# KiCad board OBC Development Board.kicad_pcb
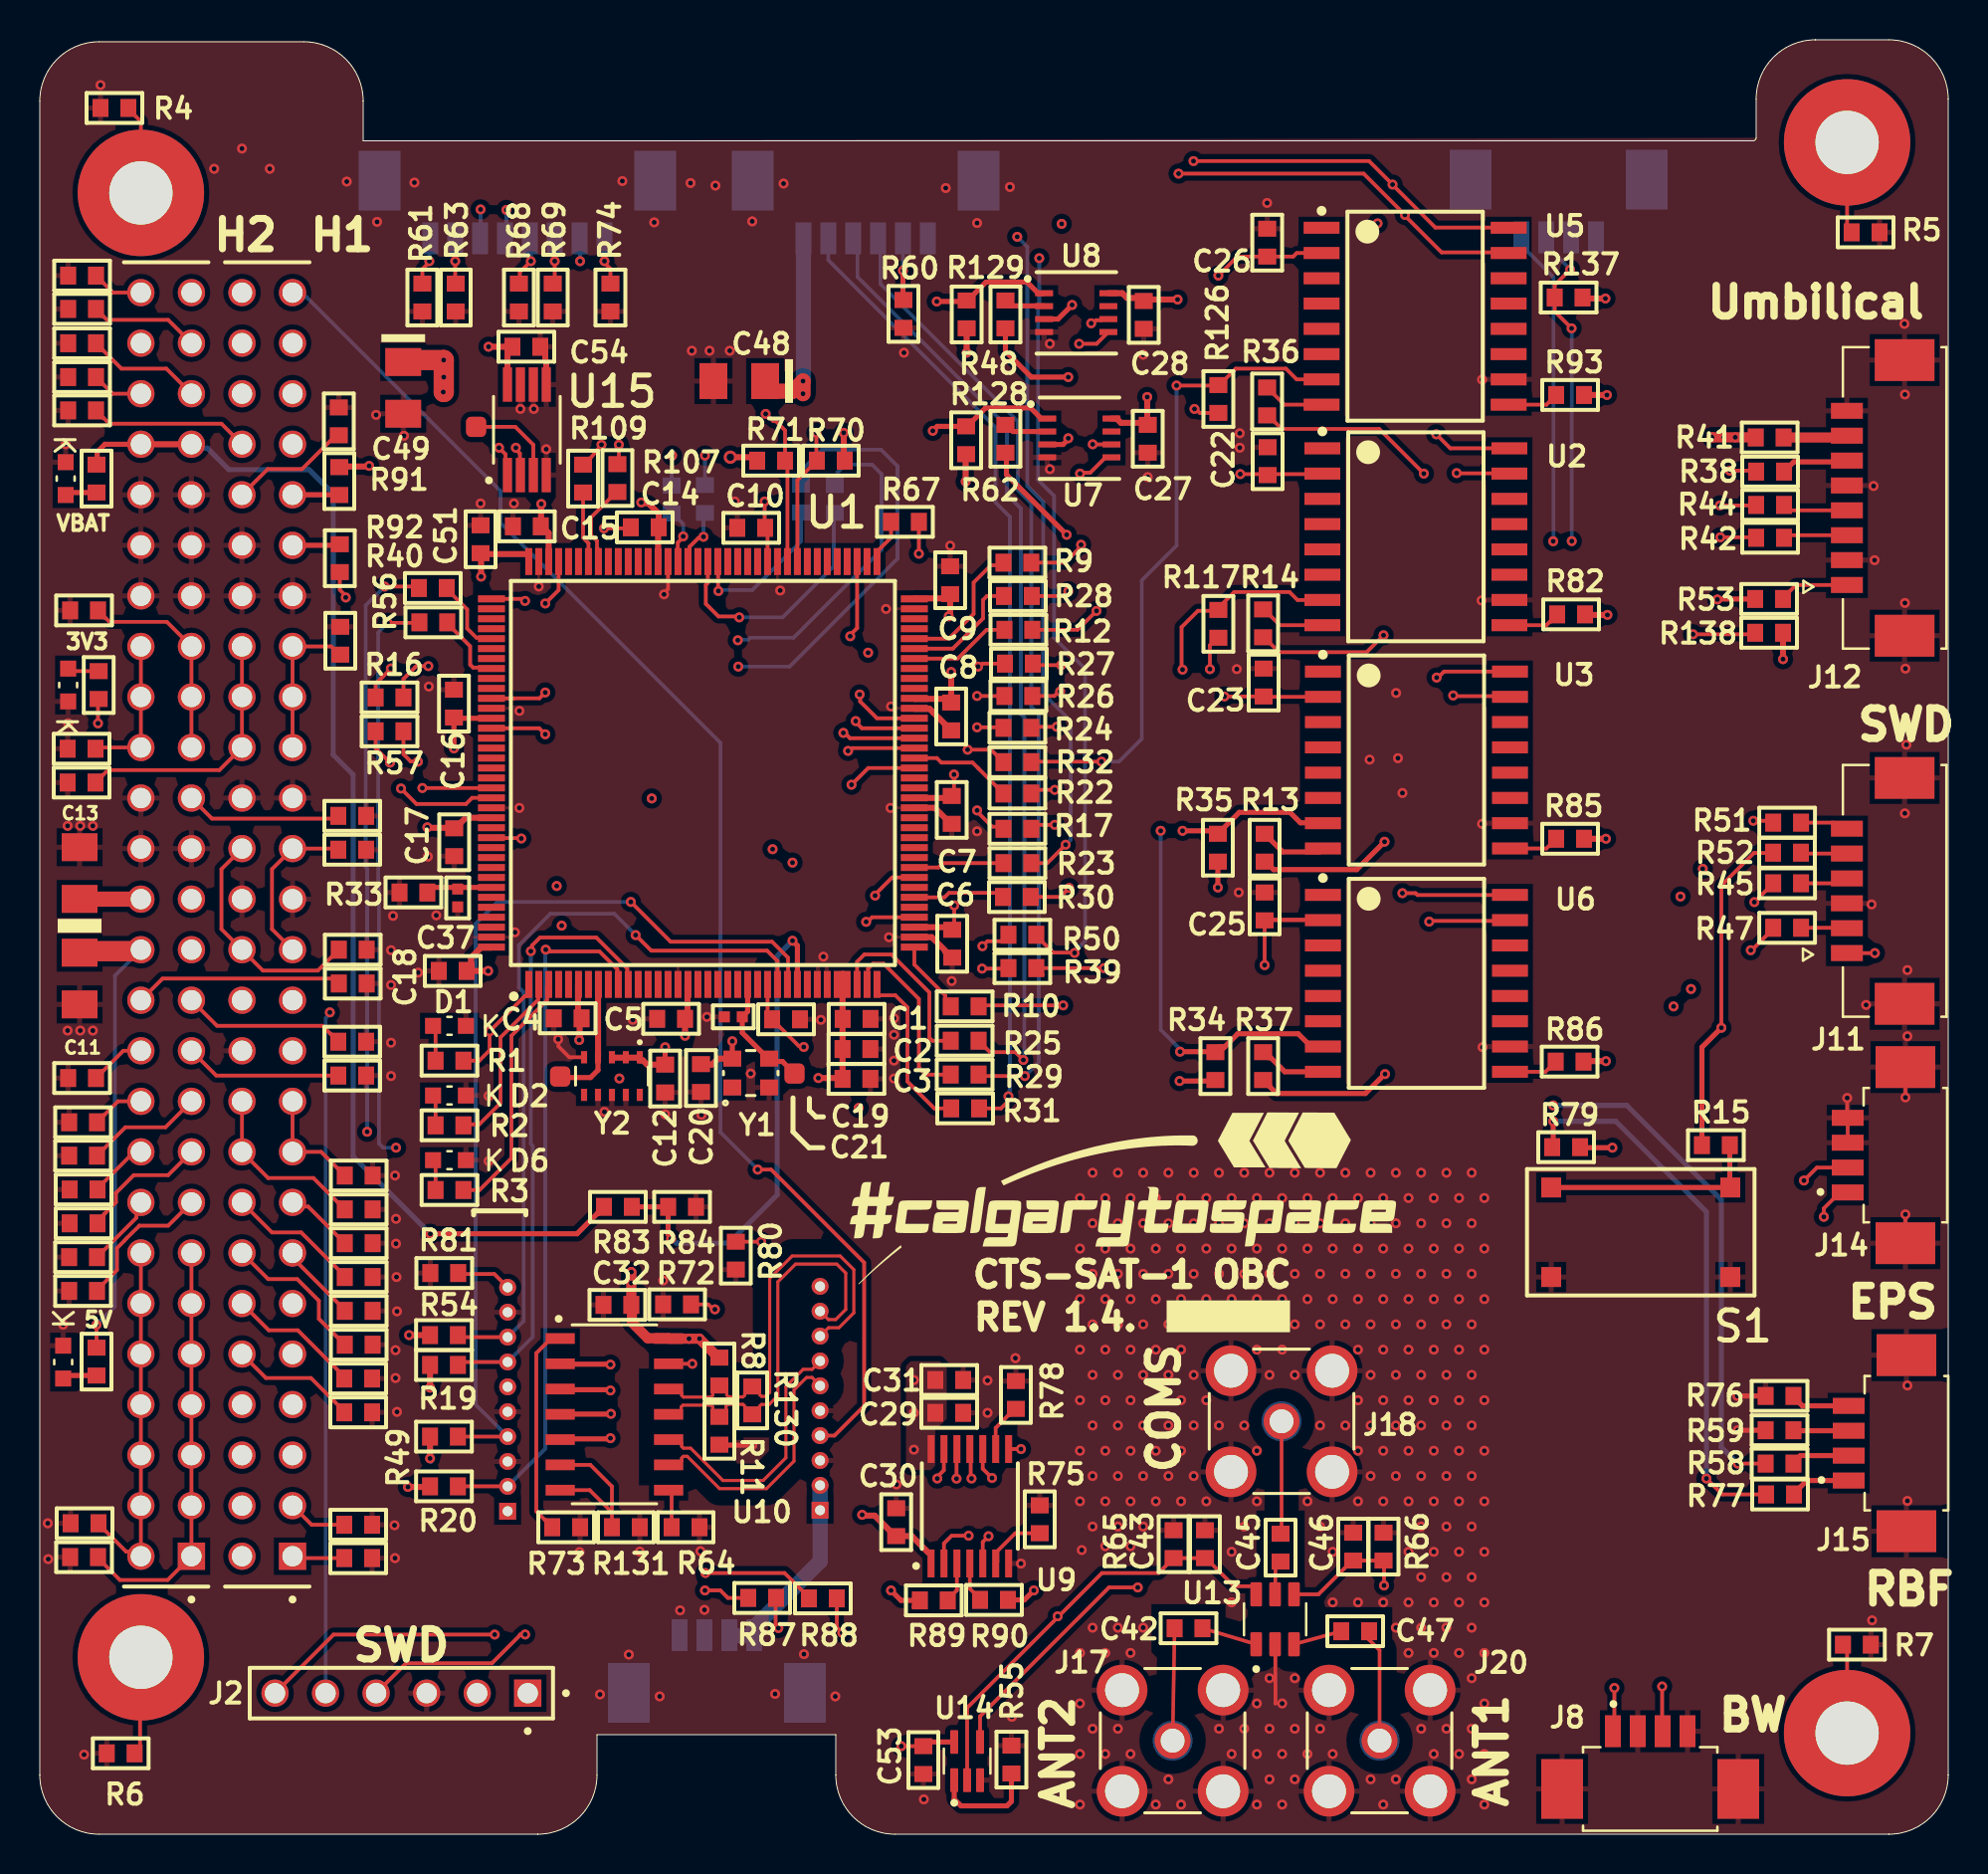
[diagram p0: board, top side]
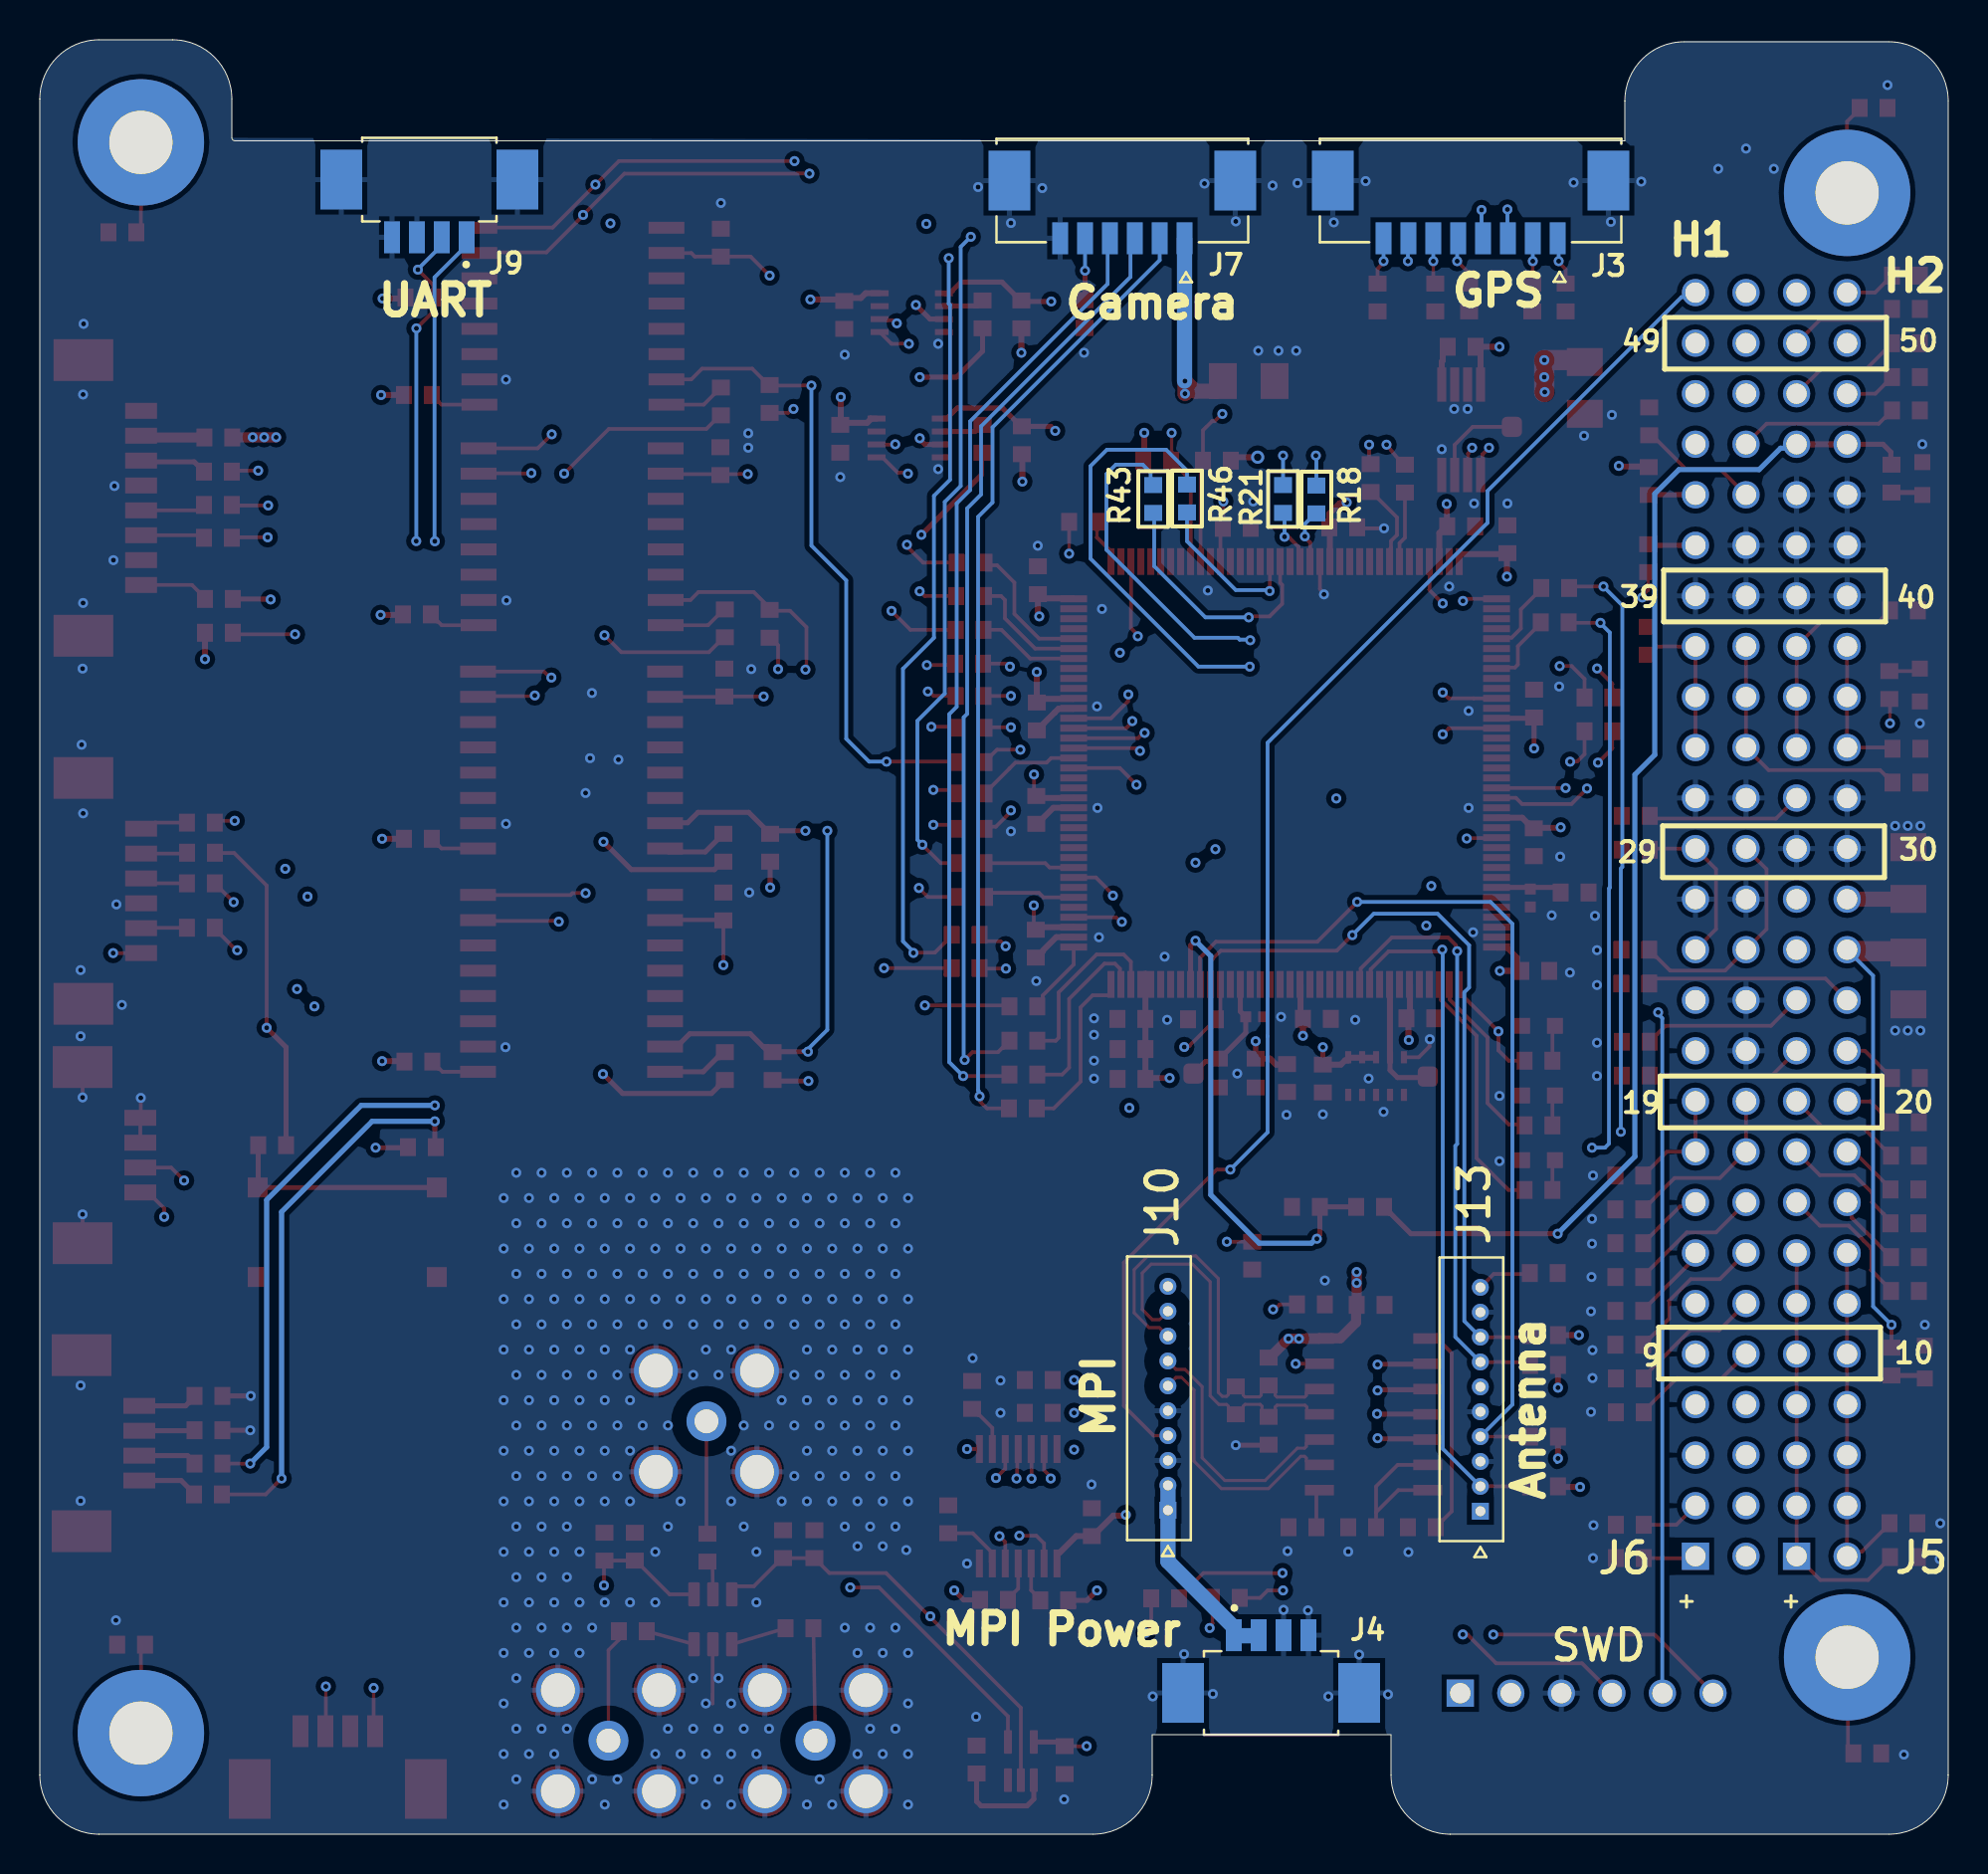
[diagram p1: board, bottom side, seen from below]

Outline 95.9 x 90.18 mm; copper layers: L1 Top Layer, L2 GND (plane), L3 Signal, L4 Signal, L5 GND (plane), L6 Bottom Layer. Coordinates in mm from the lower left corner of the outline.
Outline path: 0,87.1 arc(0.87,89.2) 2.97,90.07 13.27,90.07 arc(15.38,89.2) 16.25,87.1 16.25,85.1 86.1,85.1 arc(86.21,85.14) 86.25,85.25 86.25,87.2 arc(87.12,89.3) 89.23,90.17 92.92,90.18 arc(95.03,89.3) 95.9,87.2 95.9,2.97 95.9,2.98 arc(95.03,0.87) 92.93,0 42.98,0 arc(40.87,0.87) 40,2.98 40,5 28,5 28,2.98 arc(27.13,0.87) 25.03,0 2.97,0 arc(0.87,0.87) 0,2.98 0,87.1

## Placement (name value [footprint] x y rotation side)
*1  PC104 Mounting  [PC104 MOUNTING POINTS#4]  6.86 81.28 0 top
*2  PC104 Mounting  [PC104 MOUNTING POINTS#2]  90.82 85.02 0 top
*3  PC104 Mounting  [PC104 MOUNTING POINTS]  6.78 7.37 0 top
*4  PC104 Mounting  [PC104 MOUNTING POINTS#3]  88.9 6.6 0 top
C1  0.1uF  [0603]  41.05 40.97 180 top
C2  1uF  [0603]  41.04 39.46 180 top
C3  0.1uF  [0603]  41.04 37.96 180 top
C4  0.1uF  [0603]  26.52 41 0 top
C5  0.1uF  [0603]  31.72 40.98 0 top
C6  0.1uF  [0603]  45.85 44.75 90 top
C7  0.1uF  [0603]  45.82 51.48 90 top
C8  0.1uF  [0603]  45.8 56.17 90 top
C9  0.1uF  [0603]  45.75 63.02 270 top
C10  0.1uF  [0603]  35.75 65.65 0 top
C11  4.7uF  [CAP TANT 1206 (A) TCJ]  2 43 270 top
C12  0.1uF  [0603]  31.42 37.98 90 top
C13  4.7uF  [CAP TANT 1206 (A) TCJ]  2 48.3 90 top
C14  0.1uF  [0603]  30.4 65.68 0 top
C15  0.1uF  [0603]  24.47 65.73 0 top
C16  0.1uF  [0603]  20.81 56.81 270 top
C17  0.1uF  [0603]  20.83 49.85 90 top
C18  0.1uF  [0603]  20.75 43.38 0 top
C19  0.1uF  [0603]  37.5 40.95 180 top
C20  0.1uF  [0603]  33.22 38 90 top
C21  15 pF  [0402]  34.85 41.08 180 top
C22  0.1uF  [0603]  61.7 69 90 top
C23  0.1uF  [0603]  61.5 57.88 270 top
C25  0.1uF  [0603]  61.55 46.63 270 top
C26  0.1uF  [0603]  61.68 79.98 90 top
C27  0.1uF  [0603]  55.67 70.13 270 top
C28  0.1uF  [0603]  55.47 76.35 270 top
C29  0.1uF  [0603]  45.7 21.18 0 top
C30  0.1uF  [0603]  43.04 15.68 90 top
C31  1uF  [0603]  45.7 22.83 180 top
C32  0.1uF  [0603]  29.03 26.6 180 top
C37  0.1uF  [0402]  21 47.05 270 top
C42  100pF  [0603]  57.72 10.35 0 top
C43  33 pF  [0603]  58.55 14.58 90 top
C45  100pF  [0603]  62.35 14.4 90 top
C46  33 pF  [0603]  66 14.45 270 top
C47  100pF  [0603]  66.1 10.2 180 top
C48  4.7uF  [CAP TANT 1206 (A) TCJ]  35.15 73.03 180 top
C49  4.7uF  [CAP TANT 1206 (A) TCJ]  18.26 72.68 270 top
C51  0.1uF  [0603]  22.15 65.08 270 top
C53  0.1uF  [0603]  44.4 3.73 90 top
C54  0.1uF  [0603]  24.45 74.75 180 top
D1  -  [D-SML-D12U1WT86]  20.59 40.62 180 top
D2  -  [D-SML-D12U1WT86]  20.59 37.12 180 top
D3  -  [D-SML-D12U1WT86]  1.42 57.75 90 top
D4  -  [D-SML-D12U1WT86]  1.17 23.73 270 top
D5  -  [D-SML-D12U1WT86]  1.3 68.13 270 top
D6  -  [D-SML-D12U1WT86]  20.59 33.87 180 top
J2  -  [J-TSW-106-05-T-S]  24.52 7.09 180 top
J3  J-0532610871  [J-532610871]  24 82.6 0 bottom
J4  J-0532610471  [J-53261-0471]  34.03 10 180 bottom
J5  -  [J-ESQ-126-14-G-D]  7.62 13.97 270 top
J6  -  [J-ESQ-126-14-G-D]  12.7 13.97 270 top
J7  -  [J-0532610671]  41.5 82.6 0 bottom
J8  J-0532610471  [J-53261-0471]  80.92 5.18 0 top
J9  J-0532610471  [J-53261-0471]  76.32 80.25 0 bottom
J10  -  [J-0530471010]  39.21 16.28 270 bottom
J11  -  [J-0532610671]  93.21 47.41 90 top
J12  J-0532610871  [J-532610871]  93.21 67.15 90 top
J13  -  [J-0530471010]  23.51 16.23 270 bottom
J14  J-0532610471  [J-53261-0471]  90.85 34.13 90 top
J15  J-0532610471  [J-53261-0471]  90.9 19.65 90 top
J17  252105  [J-252105]  56.92 4.7 0 top
J18  252105  [J-252105]  62.4 20.75 0 top
J20  252105  [J-252105]  67.32 4.7 0 top
NOREF  -  [unnamed]  21.92 70.73 0 top
NOREF#2  -  [unnamed]  37.92 38.23 0 top
NOREF#3  -  [unnamed]  26.15 38.08 0 top
R1  4K7  [0603]  20.59 38.87 0 top
R2  4K7  [0603]  20.59 35.62 0 top
R3  4K7  [0603]  20.59 32.37 180 top
R4  0R DNP  [0603]  3.75 86.75 0 top
R5  0R DNP  [0603]  91.75 80.5 180 top
R6  0R DNP  [0603]  4.06 4.06 0 top
R7  0R DNP  [0603]  91.31 9.53 180 top
R8  1K  [0603]  34.15 23.25 90 top
R9  22R  [0603]  49.12 63.9 180 top
R10  22R  [0603]  46.47 41.6 0 top
R11  1K  [0603]  34.15 20.28 90 top
R12  22R  [0603]  49.17 60.53 180 top
R13  22R  [0603]  61.55 49.58 90 top
R14  22R  [0603]  61.47 60.85 90 top
R15  1K  [0603]  84.22 34.63 180 top
R16  22R  [0603]  17.58 57.13 180 top
R17  22R  [0603]  49.12 50.53 0 top
R18  22R  [0603]  31.75 67.08 270 bottom
R19  4K7  [0603]  20.31 23.58 0 top
R20  4K7  [0603]  20.31 17.48 0 top
R21  22R  [0603]  33.42 67.1 270 bottom
R22  22R  [0603]  49.12 52.3 0 top
R23  0R  [0603]  49.12 48.8 0 top
R24  22R  [0603]  49.12 55.6 0 top
R25  22R  [0603]  46.47 39.88 180 top
R26  22R  [0603]  49.17 57.2 0 top
R27  22R  [0603]  49.2 58.83 0 top
R28  0R  [0603]  49.15 62.23 0 top
R29  22R  [0603]  46.47 38.18 180 top
R30  0R  [0603]  49.1 47.1 0 top
R31  0R  [0603]  46.5 36.48 180 top
R32  22R  [0603]  49.12 53.88 0 top
R33  1K  [0603]  18.77 47.33 0 top
R34  10K  [0603]  59.07 38.6 90 top
R35  10K  [0603]  59.2 49.58 90 top
R36  22R  [0603]  61.67 72 90 top
R37  22R  [0603]  61.47 38.6 90 top
R38  0R  [0603]  86.95 68.48 180 top
R39  22R  [0603]  49.38 43.53 180 top
R40  22R  [0603]  19.75 62.63 180 top
R41  0R  [0603]  86.93 70.19 180 top
R42  0R  [0603]  86.95 65.15 0 top
R43  0R  [0603]  39.95 67.1 90 bottom
R44  0R  [0603]  86.95 66.8 0 top
R45  0R  [0603]  87.81 47.79 0 top
R46  0R  [0603]  38.25 67.13 90 bottom
R47  0R  [0603]  87.81 45.55 0 top
R48  22R  [0603]  48.53 76.38 90 top
R49  4K7  [0603]  20.31 19.98 0 top
R50  22R  [0603]  49.38 45.2 180 top
R51  0R  [0603]  87.81 50.83 0 top
R52  4K7  [0603]  87.8 49.33 0 top
R53  0R  [0603]  86.9 62.08 0 top
R54  4K7  [0603]  20.31 25.08 0 top
R55  100K  [0603]  48.82 3.75 270 top
R56  22R  [0603]  19.77 60.9 180 top
R57  22R  [0603]  17.58 55.43 180 top
R58  0R  [0603]  87.42 18.63 0 top
R59  0R  [0603]  87.42 20.3 0 top
R60  100K  [0603]  43.4 76.4 90 top
R61  100K  [0603]  19.22 77.23 90 top
R62  22R  [0603]  48.53 70.13 90 top
R63  100K  [0603]  20.9 77.23 90 top
R64  100K  [0603]  32.45 15.43 180 top
R65  10K  [0603]  56.98 14.58 90 top
R66  10K  [0603]  67.53 14.45 270 top
R67  0R  [0603]  43.47 65.95 180 top
R68  100K  [0603]  24.08 77.23 90 top
R69  100K  [0603]  25.77 77.23 90 top
R70  4K7  [0603]  39.75 69.03 180 top
R71  4K7  [0603]  36.75 69.03 0 top
R72  100K  [0603]  32.03 26.63 0 top
R73  100K  [0603]  26.45 15.43 180 top
R74  100K  [0603]  28.67 77.23 90 top
R75  100K  [0603]  50.25 15.83 270 top
R76  0R  [0603]  87.42 22.03 0 top
R77  22R  [0603]  87.45 17.08 0 top
R78  100K  [0603]  49.05 22.08 270 top
R79  4K7  [0603]  76.7 34.53 0 top
R80  100K  [0603]  34.97 29.08 90 top
R81  100K  [0603]  20.33 28.2 0 top
R82  10K  [0603]  76.95 61.3 180 top
R83  10K  [0603]  29.05 31.53 180 top
R84  1K  [0603]  32.28 31.53 180 top
R85  10K  [0603]  76.9 50.03 180 top
R86  10K  [0603]  76.88 38.83 180 top
R87  0R  [0603]  36.3 11.88 0 top
R88  22R  [0603]  39.35 11.85 180 top
R89  0R  [0603]  44.92 11.75 0 top
R90  22R  [0603]  47.95 11.78 180 top
R91  4K7  [0603]  15.05 68 90 top
R92  4K7  [0603]  15.08 64.13 90 top
R93  10K  [0603]  76.9 72.33 180 top
R94  100K  [0603]  2.12 78.33 180 top
R95  100K  [0603]  2.12 76.65 0 top
R96  100K  [0603]  2.12 74.93 0 top
R97  100K  [0603]  2.12 73.23 180 top
R98  100K  [0603]  2.12 71.55 180 top
R99  100K  [0603]  15.02 71 90 top
R100  100K  [0603]  15.1 59.98 270 top
R101  100K  [0603]  2.1 52.85 180 top
R102  100K  [0603]  2.22 61.5 0 top
R103  100K  [0603]  2.1 54.55 180 top
R104  100K  [0603]  15.7 49.48 180 top
R105  100K  [0603]  15.72 44.45 0 top
R106  100K  [0603]  15.7 39.83 180 top
R107  0R  [0603]  29.03 68.15 270 top
R108  100K  [0603]  15.72 42.75 0 top
R109  0R  [0603]  27.3 68.13 270 top
R110  100K  [0603]  15.7 38.13 180 top
R111  100K  [0603]  2.12 38 180 top
R112  100K  [0603]  16.02 33.1 180 top
R113  100K  [0603]  16.02 31.4 0 top
R114  100K  [0603]  2.17 34.1 0 top
R115  100K  [0603]  2.17 35.78 180 top
R116  100K  [0603]  2.2 30.7 0 top
R117  10K  [0603]  59.22 60.83 90 top
R118  100K  [0603]  2.2 32.4 180 top
R119  100K  [0603]  16.02 29.7 180 top
R120  100K  [0603]  16.02 28 0 top
R121  100K  [0603]  2.17 27.3 0 top
R122  100K  [0603]  2.17 29 180 top
R123  100K  [0603]  16.02 26.3 180 top
R124  100K  [0603]  16.02 24.6 0 top
R125  100K  [0603]  16 22.9 0 top
R126  10K  [0603]  59.22 72.13 90 top
R127  100K  [0603]  16 21.2 0 top
R128  10K  [0603]  46.55 70.05 90 top
R129  10K  [0603]  46.57 76.38 90 top
R130  100R  [0603]  35.8 21.8 90 top
R131  100R  [0603]  29.45 15.43 180 top
R132  100K  [0603]  2.22 13.93 0 top
R133  100K  [0603]  2.25 15.63 180 top
R134  220R  [0603]  2.96 57.75 270 top
R135  220R  [0603]  2.85 23.75 90 top
R136  10K  [0603]  2.85 68.13 90 top
R137  4K7  [0603]  76.82 77.23 0 top
R138  4K7  [0603]  86.9 60.38 180 top
R139  100K  [0603]  15.7 51.18 180 top
R140  100K  [0603]  16 13.88 180 top
R141  100K  [0603]  16 15.55 180 top
S1  -  [S-KH-6X6X4.3H-STM]  80.45 30.25 0 top
U1  -  [U-STM32L4R5ZIT6]  33.32 53.33 90 top
U2  MT29F1G01ABAFDSF-AAT:F TR  [U-MT29F1G01ABAFDSF-AAT:F TR]  69.15 65.2 0 top
U3  MT29F1G01ABAFDSF-AAT:F TR  [U-MT29F1G01ABAFDSF-AAT:F TR]  69.18 53.98 0 top
U5  MT29F1G01ABAFDSF-AAT:F TR  [U-MT29F1G01ABAFDSF-AAT:F TR]  69.11 76.28 0 top
U6  MT29F1G01ABAFDSF-AAT:F TR  [U-MT29F1G01ABAFDSF-AAT:F TR]  69.18 42.76 0 top
U7  CY15B108QN-40LPXI  [U-CY15B108QN-40LPXI]  52.24 70.17 0 top
U8  CY15B108QN-40LPXI  [U-CY15B108QN-40LPXI]  52.08 76.47 0 top
U9  -  [U-MAX3378EEUD+T]  46.74 16.48 0 top
U10  MAX3086EESD+T  [U-MAX3086EESD+T]  28.88 21.1 0 top
U13  -  [U-HMC544AETR]  62.07 10.8 90 top
U14  SN74LVC1G14DCKR  [U-SN74LVC1G14DCKR]  46.6 3.68 90 top
U15  STDS75DS2F  [MSOP-8_STM-M]  24.47 70.58 90 top
Y1  ECS-TXO-2520-33-250-AN-TR  [Y-ECS-TXO-2520-33-250-AN-TR]  35.72 38.25 0 top
Y2  TG-3541CE 32.7680KXB3  [Y-TG-3541CE 32.7680KXB3]  28.75 38.1 270 top

## Footprints (pads in the part's own frame, mm; a bottom-side part is the same pattern mirrored in y, then rotated)
0402
  rect 0.55x0.55 smd: 1(-0.45,0) 2(0.45,0)
0603
  rect 0.8x0.9 smd: 1(-0.7,0) 2(0.7,0)
CAP TANT 1206 (A) TCJ
  rect 1.4x1.8 smd: 1(-1.3,0) 2(1.3,0)
D-SML-D12U1WT86
  rect 0.8x0.8 smd: A(0.825,0) C(-0.825,0)
J-53261-0471
  rect 0.8x1.6 smd: 1(-1.875,0) 2(-0.625,0) 3(0.625,0) 4(1.875,0)
  rect 2.1x3 smd: S1(-4.425,-2.9) S2(4.425,-2.9)
J-252105
  round 2.55 hole 1.7: 0(-2.54,2.54) 0(-2.54,-2.54) 0(2.54,2.54) 0(2.54,-2.54)
  round 1.8 hole 1.2: 1(0,0)
J-0530471010
  rect 0.85x0.85 hole 0.5: 1(0,0)
  round 0.85 hole 0.5: 2(-1.25,0) 3(-2.5,0) 4(-3.75,0) 5(-5,0) 6(-6.25,0) 7(-7.5,0) 8(-8.75,0) 9(-10,0) 10(-11.25,0)
J-0532610671
  rect 0.8x1.6 smd: 1(-3.125,2.4) 2(-1.875,2.4) 3(-0.625,2.4) 4(0.625,2.4) 5(1.875,2.4) 6(3.125,2.4)
  rect 2.1x3 smd: S1(-5.675,-0.5) S2(5.675,-0.5)
J-532610871
  rect 0.8x1.6 smd: 1(-4.375,2.4) 2(-3.125,2.4) 3(-1.875,2.4) 4(-0.625,2.4) 5(0.625,2.4) 6(1.875,2.4) 7(3.125,2.4) 8(4.375,2.4)
  rect 2.1x3 smd: S1(-6.925,-0.5) S2(6.925,-0.5)
J-ESQ-126-14-G-D
  rect 1.37x1.37 hole 1.02: 1(0,0)
  round 1.37 hole 1.02: 2(0,-2.54) 3(-2.54,0) 4(-2.54,-2.54) 5(-5.08,0) 6(-5.08,-2.54) 7(-7.62,0) 8(-7.62,-2.54) 9(-10.16,0) 10(-10.16,-2.54) 11(-12.7,0) 12(-12.7,-2.54) 13(-15.24,0) 14(-15.24,-2.54) 15(-17.78,0) 16(-17.78,-2.54) 17(-20.32,0) 18(-20.32,-2.54) 19(-22.86,0) 20(-22.86,-2.54) 21(-25.4,0) 22(-25.4,-2.54) 23(-27.94,0) 24(-27.94,-2.54) 25(-30.48,0) 26(-30.48,-2.54) 27(-33.02,0) 28(-33.02,-2.54) 29(-35.56,0) 30(-35.56,-2.54) 31(-38.1,0) 32(-38.1,-2.54) 33(-40.64,0) 34(-40.64,-2.54) 35(-43.18,0) 36(-43.18,-2.54) 37(-45.72,0) 38(-45.72,-2.54) 39(-48.26,0) 40(-48.26,-2.54) 41(-50.8,0) 42(-50.8,-2.54) 43(-53.34,0) 44(-53.34,-2.54) 45(-55.88,0) 46(-55.88,-2.54) 47(-58.42,0) 48(-58.42,-2.54) 49(-60.96,0) 50(-60.96,-2.54) 51(-63.5,0) 52(-63.5,-2.54)
J-TSW-106-05-T-S
  rect 1.37x1.37 hole 1.02: 01(0,0)
  round 1.37 hole 1.02: 02(2.54,0) 03(5.08,0) 04(7.62,0) 05(10.16,0) 06(12.7,0)
MSOP-8_STM-M
  rect 1.727x0.457 smd: 1(-2.273,0.975) 2(-2.273,0.325) 3(-2.273,-0.325) 4(-2.273,-0.975) 5(2.273,-0.975) 6(2.273,-0.325) 7(2.273,0.325) 8(2.273,0.975)
PC104 MOUNTING POINTS
  round 6.35 hole 3.18: 1(-1.702,1.524)
PC104 MOUNTING POINTS#2
  round 6.35 hole 3.18: 1(0,0)
PC104 MOUNTING POINTS#3
  round 6.35 hole 3.18: 1(1.92,-1.524)
PC104 MOUNTING POINTS#4
  round 6.35 hole 3.18: 1(-1.778,1.2)
S-KH-6X6X4.3H-STM
  rect 1x1 smd: 1(-4.5,2.25) 2(4.5,2.25) 3(-4.5,-2.25) 4(4.5,-2.25)
U-CY15B108QN-40LPXI
  rect 0.9x0.3 smd: 1(-1.615,0.975) 2(-1.615,0.325) 3(-1.615,-0.325) 4(-1.615,-0.975) 5(1.615,-0.975) 6(1.615,-0.325) 7(1.615,0.325) 8(1.615,0.975)
U-HMC544AETR
  rrect 1.21x0.58 smd: 1(-1.255,0.95) 2(-1.255,0) 3(-1.255,-0.95) 4(1.255,-0.95) 5(1.255,0) 6(1.255,0.95)
U-MAX3086EESD+T
  rect 1.46x0.533 smd: 1(-2.724,3.81) 2(-2.724,2.54) 3(-2.724,1.27) 4(-2.724,0) 5(-2.724,-1.27) 6(-2.724,-2.54) 7(-2.724,-3.81) 8(2.724,-3.81) 9(2.724,-2.54) 10(2.724,-1.27) 11(2.724,0) 12(2.724,1.27) 13(2.724,2.54) 14(2.724,3.81)
U-MAX3378EEUD+T
  rect 0.35x1.4 smd: 1(-1.95,-2.875) 2(-1.3,-2.875) 3(-0.65,-2.875) 4(0,-2.875) 5(0.65,-2.875) 6(1.3,-2.875) 7(1.95,-2.875) 8(1.95,2.875) 9(1.3,2.875) 10(0.65,2.875) 11(0,2.875) 12(-0.65,2.875) 13(-1.3,2.875) 14(-1.95,2.875)
U-MT29F1G01ABAFDSF-AAT:F TR
  rect 1.8x0.6 smd: 1(-4.7,4.445) 2(-4.7,3.175) 3(-4.7,1.905) 4(-4.7,0.635) 5(-4.7,-0.635) 6(-4.7,-1.905) 7(-4.7,-3.175) 8(-4.7,-4.445) 9(4.7,-4.445) 10(4.7,-3.175) 11(4.7,-1.905) 12(4.7,-0.635) 13(4.7,0.635) 14(4.7,1.905) 15(4.7,3.175) 16(4.7,4.445)
U-SN74LVC1G14DCKR
  rrect 1.19x0.4 smd: 1(-0.96,0.65) 2(-0.96,0) 3(-0.96,-0.65) 4(0.96,-0.65) 5(0.96,0.65)
U-STM32L4R5ZIT6
  rect 1.35x0.35 smd: 1(-10.625,8.75) 2(-10.625,8.25) 3(-10.625,7.75) 4(-10.625,7.25) 5(-10.625,6.75) 6(-10.625,6.25) 7(-10.625,5.75) 8(-10.625,5.25) 9(-10.625,4.75) 10(-10.625,4.25) 11(-10.625,3.75) 12(-10.625,3.25) 13(-10.625,2.75) 14(-10.625,2.25) 15(-10.625,1.75) 16(-10.625,1.25) 17(-10.625,0.75) 18(-10.625,0.25) 19(-10.625,-0.25) 20(-10.625,-0.75) 21(-10.625,-1.25) 22(-10.625,-1.75) 23(-10.625,-2.25) 24(-10.625,-2.75) 25(-10.625,-3.25) 26(-10.625,-3.75) 27(-10.625,-4.25) 28(-10.625,-4.75) 29(-10.625,-5.25) 30(-10.625,-5.75) 31(-10.625,-6.25) 32(-10.625,-6.75) 33(-10.625,-7.25) 34(-10.625,-7.75) 35(-10.625,-8.25) 36(-10.625,-8.75) 73(10.625,-8.75) 74(10.625,-8.25) 75(10.625,-7.75) 76(10.625,-7.25) 77(10.625,-6.75) 78(10.625,-6.25) 79(10.625,-5.75) 80(10.625,-5.25) 81(10.625,-4.75) 82(10.625,-4.25) 83(10.625,-3.75) 84(10.625,-3.25) 85(10.625,-2.75) 86(10.625,-2.25) 87(10.625,-1.75) 88(10.625,-1.25) 89(10.625,-0.75) 90(10.625,-0.25) 91(10.625,0.25) 92(10.625,0.75) 93(10.625,1.25) 94(10.625,1.75) 95(10.625,2.25) 96(10.625,2.75) 97(10.625,3.25) 98(10.625,3.75) 99(10.625,4.25) 100(10.625,4.75) 101(10.625,5.25) 102(10.625,5.75) 103(10.625,6.25) 104(10.625,6.75) 105(10.625,7.25) 106(10.625,7.75) 107(10.625,8.25) 108(10.625,8.75)
  rect 0.35x1.35 smd: 37(-8.75,-10.625) 38(-8.25,-10.625) 39(-7.75,-10.625) 40(-7.25,-10.625) 41(-6.75,-10.625) 42(-6.25,-10.625) 43(-5.75,-10.625) 44(-5.25,-10.625) 45(-4.75,-10.625) 46(-4.25,-10.625) 47(-3.75,-10.625) 48(-3.25,-10.625) 49(-2.75,-10.625) 50(-2.25,-10.625) 51(-1.75,-10.625) 52(-1.25,-10.625) 53(-0.75,-10.625) 54(-0.25,-10.625) 55(0.25,-10.625) 56(0.75,-10.625) 57(1.25,-10.625) 58(1.75,-10.625) 59(2.25,-10.625) 60(2.75,-10.625) 61(3.25,-10.625) 62(3.75,-10.625) 63(4.25,-10.625) 64(4.75,-10.625) 65(5.25,-10.625) 66(5.75,-10.625) 67(6.25,-10.625) 68(6.75,-10.625) 69(7.25,-10.625) 70(7.75,-10.625) 71(8.25,-10.625) 72(8.75,-10.625) 109(8.75,10.625) 110(8.25,10.625) 111(7.75,10.625) 112(7.25,10.625) 113(6.75,10.625) 114(6.25,10.625) 115(5.75,10.625) 116(5.25,10.625) 117(4.75,10.625) 118(4.25,10.625) 119(3.75,10.625) 120(3.25,10.625) 121(2.75,10.625) 122(2.25,10.625) 123(1.75,10.625) 124(1.25,10.625) 125(0.75,10.625) 126(0.25,10.625) 127(-0.25,10.625) 128(-0.75,10.625) 129(-1.25,10.625) 130(-1.75,10.625) 131(-2.25,10.625) 132(-2.75,10.625) 133(-3.25,10.625) 134(-3.75,10.625) 135(-4.25,10.625) 136(-4.75,10.625) 137(-5.25,10.625) 138(-5.75,10.625) 139(-6.25,10.625) 140(-6.75,10.625) 141(-7.25,10.625) 142(-7.75,10.625) 143(-8.25,10.625) 144(-8.75,10.625)
unnamed
  rrect 1.016x1.016 smd: 3(0,0)
Y-ECS-TXO-2520-33-250-AN-TR
  rect 0.9x0.8 smd: 1(-0.925,-0.725) 2(0.925,-0.725) 3(0.925,0.725) 4(-0.925,0.725)
Y-TG-3541CE 32.7680KXB3
  rect 0.61x0.305 smd: 1(-0.945,1.4) 2(-0.945,0.7) 3(-0.945,0) 4(-0.945,-0.7) 5(-0.945,-1.4) 6(0.945,-1.4) 7(0.945,-0.7) 8(0.945,0) 9(0.945,0.7) 10(0.945,1.4)
